# Altium PCB power.PcbDoc (part 2 of 2)
Units mm, origin at the board's own origin, x right, y up, seen from the top; angles counter-clockwise.
Board outline 95 x 58 mm, 6 copper layers (Top Layer, GND, Inner 1, Inner 2, PWR, Bottom Layer), stack 1.651 mm thick; 197 components, 106 nets, 625 pads, 626 vias.
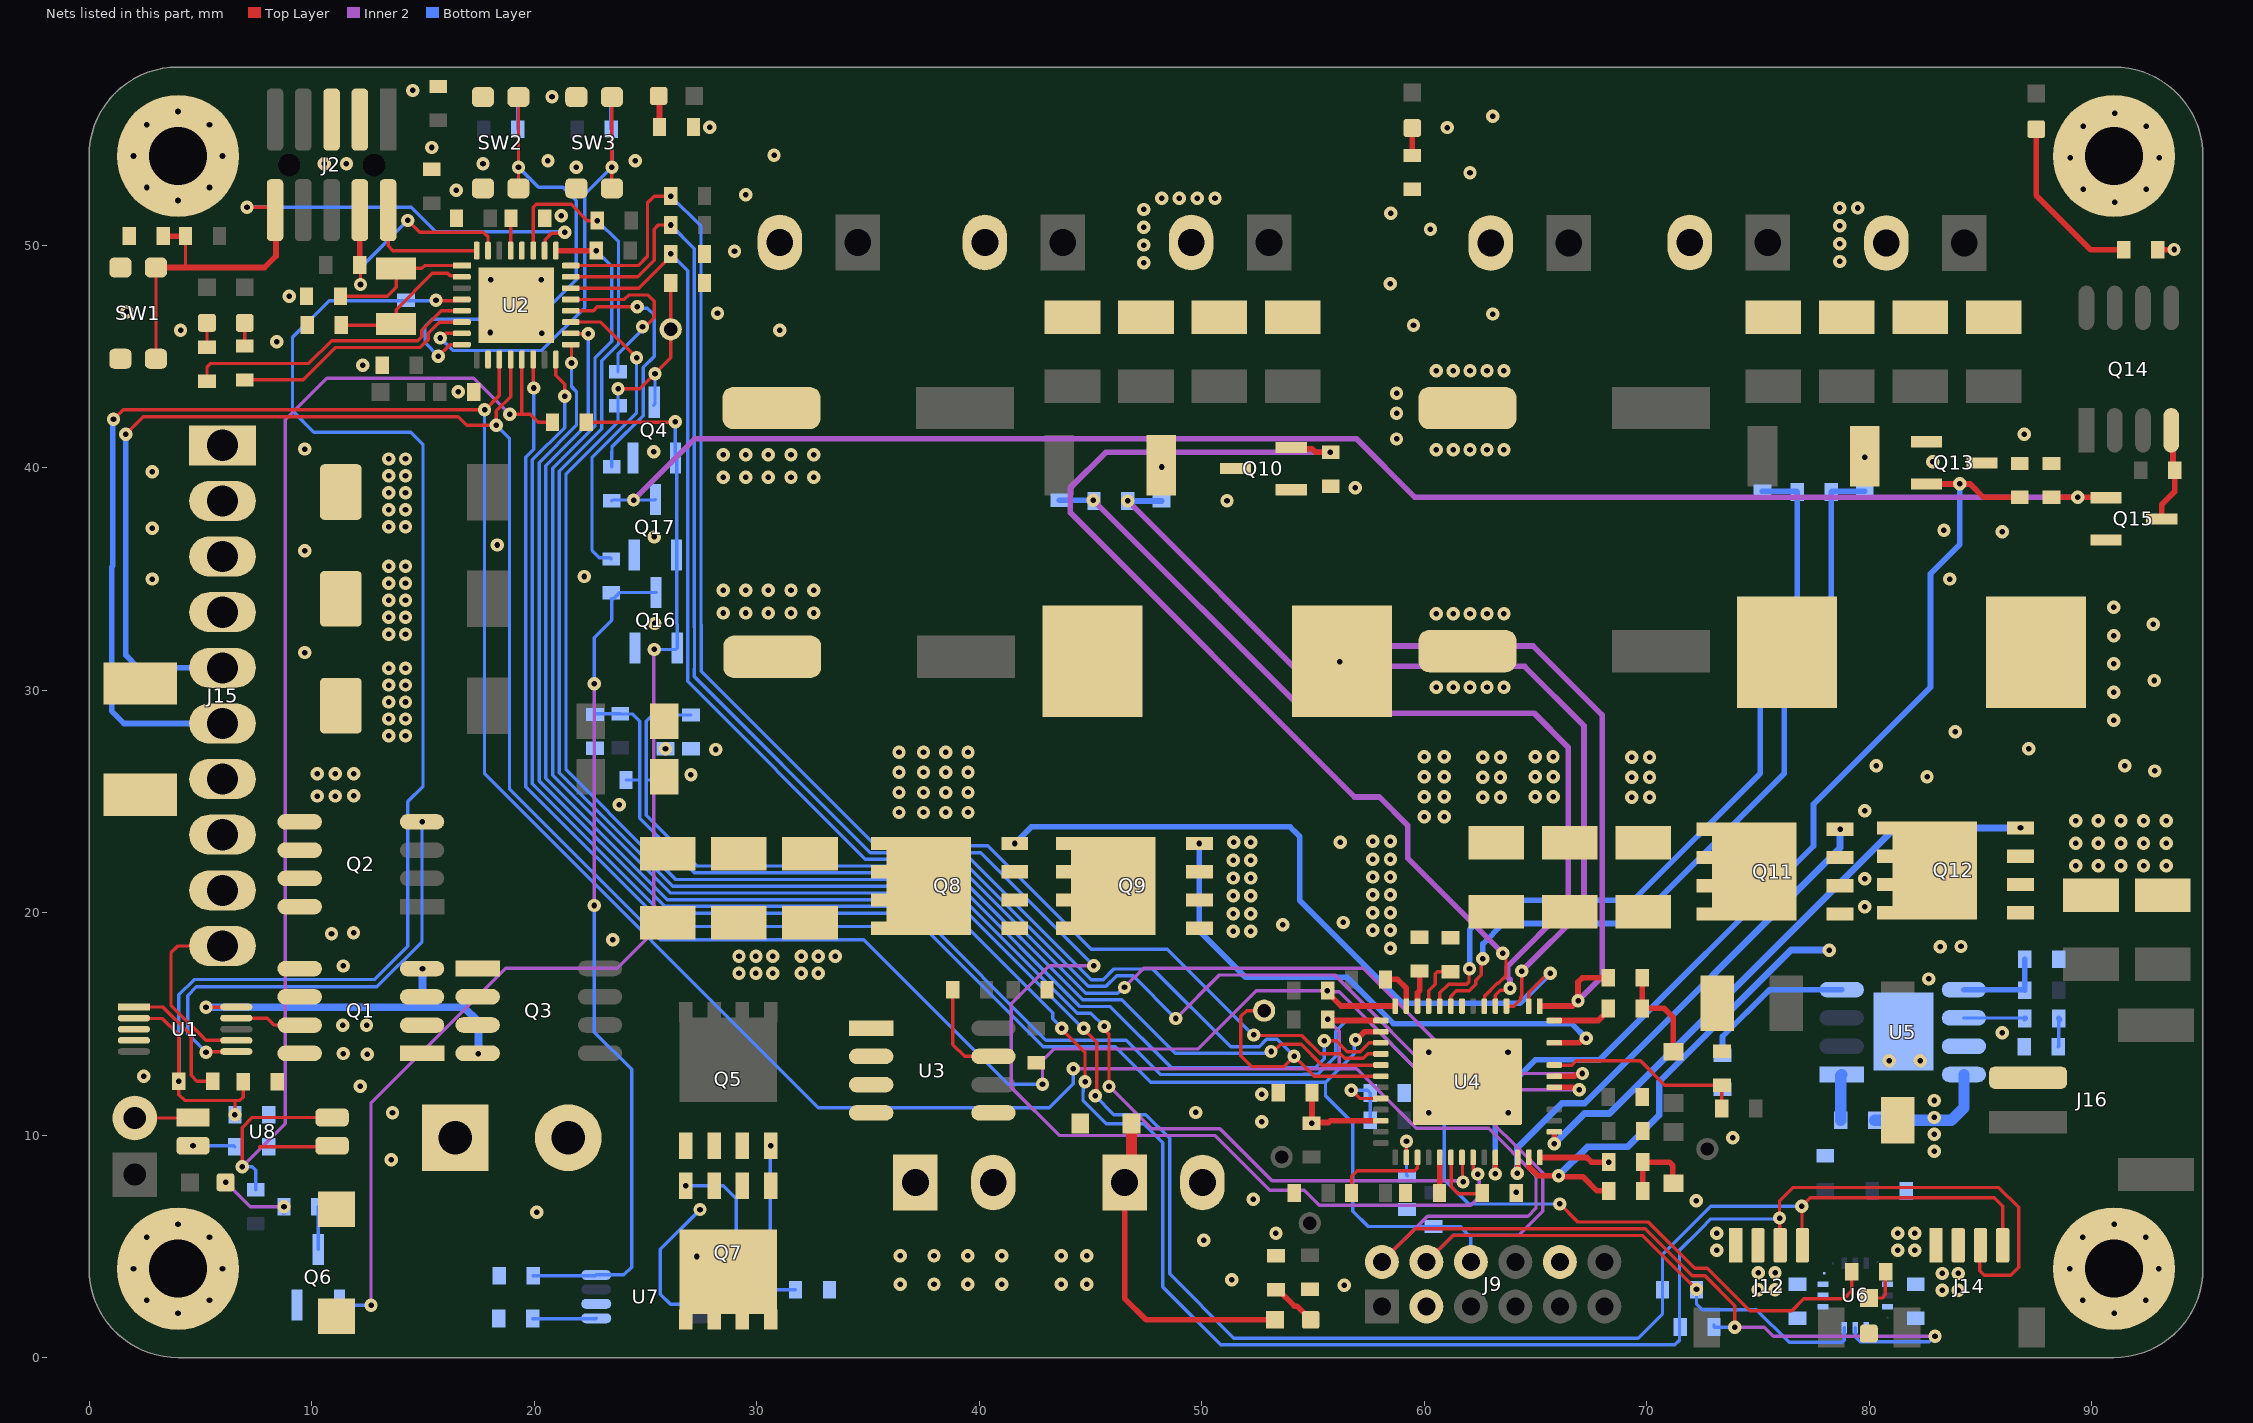
[diagram p6: the nets of this part, all layers, seen from the top]

## Via types
v1: diameter 0.6, hole 0.25, Top Layer to Bottom Layer, tented both sides, 626 vias

## Nets (pads, with @x,y where several pads share a name; then routed paths per layer and width w, separated by ;. In a path a pad name is that pad's centre, name@x,y a point inside that pad or via, vN(x,y) a via of type N, cw(c..) or ccw(c..) an arc to the next point about the centre after c; other vN are vias at no path point) (continued)
EN-5V: R18.2 TP6.1 U2.22 U4.20 | length 69.5
  Top Layer w0.15: TP6.1@52.807,15.596 52.019,15.596 51.765,15.342 51.765,13.564 52.248,13.081 53.696,13.081 54.153,13.538 v1(54.153,13.552)
  Top Layer w0.152: U2.22@21.649,48.062 24.7,48.062 R18.2@26.138,49.5 ; v1(54.153,13.552) 55.055,12.649 56.439,12.649 U4.20@58.054,12.649
  Bottom Layer w0.152: v1(26.138,49.6) 26.899,48.839 26.899,32.69 26.909,32.68 26.909,31.092 26.899,31.082 26.899,30.387 34.89,22.395 39.625,22.395 45.035,16.985 45.577,16.985 46.057,17.466 47.812,17.466 51.302,13.976 52.592,13.976 52.916,14.3 53.404,14.3 v1(54.153,13.552)
EN-12V: Q4.3 R17.2 R28.1 TP1.1 U4.19 | length 68.3
  Top Layer w0.15: v1(23.774,43.536) 24.748,43.536 26.138,44.926 TP1.1@26.138,46.211 R17.2@26.138,48.3
  Top Layer w0.152: v1(53.119,13.759) 53.229,13.759 53.548,14.078 54.481,14.078 55.41,13.149 U4.19@58.054,13.149
  Bottom Layer w0.15: v1(23.774,43.536) R28.1@23.774,42.774 23.774,42.052 21.438,39.716 21.438,26.416 25.247,22.606 ; Q4.3@25.375,42.799 25.434,42.858 v1(25.434,44.221)
  Bottom Layer w0.152: 25.247,22.606 26.366,21.488 39.253,21.488 44.66,16.081 46.403,16.081 48.81,13.674 53.033,13.674 v1(53.119,13.759)
ENABLE-5V-POWER: R32.2 U2.20 | length 11.6
  Top Layer w0.152: U2.20@21.649,47.046 21.655,47.052 22.67,47.052 22.836,47.219 v1(24.638,47.219)
  Bottom Layer w0.152: R32.2@23.495,40.03 23.495,40.716 23.503,40.724 23.503,40.927 24.907,42.332 24.907,44.498 25.4,44.991 25.4,46.863 25.095,47.168 24.689,47.168 v1(24.638,47.219)
ENABLE-5V-POWER-SAFE: Q15.1 Q17.3 R32.1 R49.2 | length 71.6
  Top Layer w0.254: R49.2@88.189,38.659 88.191,38.661 89.377,38.661 v1(89.379,38.662) 90.629,38.662 Q15.1@90.648,38.644
  Inner 2 w0.254: v1(24.47,38.539) 27.232,41.3 56.947,41.3 59.585,38.662 v1(89.379,38.662)
  Bottom Layer w0.15: R32.1@23.495,38.506 23.528,38.539 v1(24.47,38.539) 25.426,38.539 Q17.3@25.451,38.563
ENABLE-12V-POWER: R28.2 U2.21 | length 7.9
  Top Layer w0.15: U2.21@21.649,47.554 24.059,47.554 24.257,47.752 25.121,47.752 25.4,47.473 25.4,46.736 24.994,46.33 v1(24.874,46.33)
  Bottom Layer w0.15: R28.2@23.774,44.298 23.774,45.11 24.874,46.21 v1(24.874,46.33)
ENABLE-VBAT-POWER: R29.2 U2.19 | length 14.1
  Top Layer w0.152: U2.19@21.649,46.538 21.651,46.54 23.005,46.54 v1(24.605,44.94)
  Bottom Layer w0.152: R29.2@23.47,35.89 23.413,35.947 22.93,35.947 22.606,36.271 22.606,40.458 24.605,42.457 v1(24.605,44.94)
ENABLE-VBAT-POWER-SAFE: Q16.3 R29.1 R59.2 U7.8 | length 37.7
  Inner 2 w0.152: v1(22.708,20.32) v1(22.708,30.277)
  Bottom Layer w0.15: 22.708,15.037 22.708,14.63 24.384,12.954 24.384,4.064 24.038,3.718 U7.8@22.794,3.718
  Bottom Layer w0.152: R59.2@19.964,3.683 U7.8@22.759,3.683 ; 22.708,15.037 v1(22.708,20.32) ; v1(22.708,30.277) 22.708,32.36 23.495,33.147 R29.1@23.495,34.112 ; R29.1@23.47,34.112 R29.1@23.495,34.112 ; Q16.3@25.483,34.386 23.843,34.386 23.57,34.112 R29.1@23.495,34.112
GND: C1.1 C3.1 C4.1 C5.1 C6.1 C7.1 C8.2 C9.2 C10.2 C11.1 C12.1 C13.1 C14.1 C15.1 C16.1 C18.1 C19.2 C20.1 C21.2 C22.1 C23.1 C24.2 C25.2 C26.1 C27.2 C28.2 C29.2 C30.2 C31.2 C32.2 C33.2 C34.2 C35.2 C36.2 C37.2 C38.2 C39.1 C40.2 C41.1 C42.2 C43.2 C46.2 C47.1 C48.2 C49.2 C50.2 C51.2 C52.2 C54.2 C55.1 C56.2 C57.2 C58.1 C59.1 C62.1 C63.1 C64.1 C65.1 C66.1 D3.2 D5.2 D11.2 J2.3 J2.5 J3.2 J4.2 J5.2 J6.2 J7.2 J8.2 J9.3 J9.10 J10.2 J11.2 J12.1 J13.2 J14.1 J15.1 J15.2 J15.3 J15.4 J16.2 Q4.2 Q6.2 Q9.1 Q9.2 Q9.3 Q10.1 Q10.3 Q12.1 Q12.2 Q12.3 Q13.1 Q13.3 Q15.2 Q16.2 Q17.2 R1.1 R5.1 R15.1 R17.1 R18.1 R24.2 R31.1 R33.1 R39.1 R44.1 R45.1 R49.1 R50.1 R59.1 R61.2 S1.1 S2.1 S3.1 S4.1 SW1.1 SW2.1 SW3.1 U1.3 U1.4 U2.10 U2.28 U2.33 U3.5 U4.8 U4.53 U5.7 U5.9 U6.2 U6.3 U6.14 U6.17 U7.6 U8.3 | length 7.2
  Top Layer w0.15: 7.671,9.474 U8.3@10.541,9.474
  Top Layer w0.152: C16.1@20.487,51.2 C16.1@20.597,51.309 ; v1(64.135,7.433) 64.135,7.402 C40.2@64.137,7.4
  Top Layer w0.254: C3.1@1.756,50.344 C3.1@1.813,50.4 ; C6.1@9.776,47.7 C6.1@9.794,47.682 ; C7.1@9.794,46.418 C7.1@9.813,46.4 ; C14.1@17.179,43.409 C14.1@17.187,43.4 ; R15.1@27.162,55.2 R15.1@27.162,55.3 ; C24.2@29.42,42.672 C24.2@30.67,42.672 ; R33.1@53.432,11.894 R33.1@53.438,11.9 ; v1@56.837,39.163 v1(56.9,39.1) ; J11.2@71.938,50.114 J11.2@71.938,50.364 ; S3.1@90.932,54.102 S3.1@91.877,53.157 ; R50.1@92.964,49.884 R50.1@92.964,49.784 93.584,49.784 93.6,49.8 v1(93.7,49.8)
  Bottom Layer w0.152: C62.1@21.852,56.66 C62.1@21.913,56.6
  other v1: 91.008,1.988 4,2 89.594,2.574 92.422,2.574 2.586,2.586 5.414,2.586 56.404,3.261 51.358,3.493 89.008,3.988 93.008,3.988 2,4 6,4 73.152,4.826 81.28,4.826 82.042,4.826 50.088,5.271 2.586,5.414 5.414,5.414 89.594,5.402 92.422,5.402 53.34,5.588 73.152,5.588 81.28,5.588 82.042,5.588 4,6 91.008,5.988 20.116,6.541 72.227,7.046 52.325,7.125 73.863,9.881 52.7,10.6 60.198,10.998 63.779,10.998 49.738,11.02 52.7,11.844 2.464,12.649 80.899,13.335 82.296,13.335 60.198,13.716 63.768,13.726 85.979,14.605 82.677,17.018 29.21,17.272 29.972,17.272 30.734,17.272 32.004,17.272 32.766,17.272 29.21,18.034 29.972,18.034 30.734,18.034 32.004,18.034 32.766,18.034 33.528,18.034 58.486,18.401 23.536,18.785 51.414,19.156 52.214,19.156 57.686,19.201 58.486,19.201 53.645,19.456 56.363,19.558 51.414,19.956 52.214,19.956 57.686,20.001 58.486,20.001 51.414,20.756 52.214,20.756 57.686,20.801 58.486,20.801 51.414,21.556 52.214,21.556 57.686,21.601 58.486,21.601 89.281,22.098 90.297,22.098 91.313,22.098 92.329,22.098 93.345,22.098 51.414,22.356 52.214,22.356 57.686,22.401 58.486,22.401 89.281,23.114 90.297,23.114 91.313,23.114 92.329,23.114 93.345,23.114 51.448,23.158 52.214,23.156 56.236,23.165 57.686,23.201 58.486,23.201 89.281,24.13 90.297,24.13 91.313,24.13 92.329,24.13 93.345,24.13 23.825,24.841 27.051,26.187 28.169,27.33 13.462,27.94 14.224,27.94 13.462,28.702 14.224,28.702 13.462,29.464 14.224,29.464 60.538,30.134 61.3,30.134 62.062,30.134 62.824,30.134 63.586,30.134 13.462,30.226 14.224,30.226 13.462,30.988 14.224,30.988 9.702,31.687 13.462,32.512 14.224,32.512 25.425,32.995 13.462,33.274 14.224,33.274 60.538,33.436 61.3,33.436 62.062,33.436 62.824,33.436 63.586,33.436 28.498,33.465 29.514,33.465 30.53,33.465 31.546,33.465 32.562,33.465 13.462,34.036 14.224,34.036 28.498,34.481 29.514,34.481 30.53,34.481 31.546,34.481 32.562,34.481 13.462,34.798 14.224,34.798 2.844,34.989 22.25,35.103 13.462,35.56 14.224,35.56 9.702,36.259 18.341,36.519 25.4,36.881 85.975,37.123 83.358,37.183 2.844,37.275 13.462,37.338 14.224,37.338 13.462,38.1 14.224,38.1 51.14,38.516 13.462,38.862 14.224,38.862 28.498,39.561 29.514,39.561 30.53,39.561 31.546,39.561 32.562,39.561 13.462,39.624 14.224,39.624 2.844,39.815 82.85,40.256 13.462,40.386 14.224,40.386 28.498,40.577 29.514,40.577 30.53,40.577 31.546,40.577 32.562,40.577 25.373,40.718 60.538,40.802 61.3,40.802 62.062,40.802 62.824,40.802 63.586,40.802 9.702,40.831 58.76,41.285 86.965,41.501 58.76,42.439 58.76,43.342 16.586,43.409 60.538,44.358 61.3,44.358 62.062,44.358 62.824,44.358 63.586,44.358 12.3,44.6 8.432,45.657 20.348,46.044 18.036,46.069 4.114,46.165 31.038,46.165 59.522,46.39 63.078,46.898 28.244,46.927 1.7,47 9,47.7 58.471,48.26 18.062,48.431 20.322,48.431 47.4,49.2 78.678,49.263 29.006,49.721 47.4,50 78.678,50.063 60.284,50.708 47.4,50.8 78.678,50.863 21.227,51.309 58.496,51.435 47.4,51.6 78.678,51.663 79.478,51.663 91.034,51.924 4,52 48.2,52.1 49,52.1 49.8,52.1 50.6,52.1 29.514,52.261 16.506,52.46 89.619,52.51 92.448,52.51 2.586,52.586 5.414,52.586 62.062,53.248 21.9,53.5 10.568,53.651 11.568,53.651 17.706,53.66 20.624,53.785 24.55,53.785 89.034,53.924 93.034,53.924 2,54 6,54 30.784,54.039 15.4,54.382 27.9,55.3 61.046,55.28 89.619,55.338 92.448,55.338 2.586,55.414 5.414,55.414 63.078,55.788 91.034,55.924 4,56 20.806,56.66 14.554,56.947
I2C_PW_EN: R64.2 U2.16 | length 95
  Top Layer w0.15: v1(21.379,43.2) v1@21.382,43.203
  Top Layer w0.152: U2.16@20.978,44.851 20.978,44.144 21.379,43.743 v1(21.379,43.2) ; v1(66.091,6.906) 66.901,6.096 70.069,6.096 72.151,4.013 72.72,4.013 74.625,2.108 76.53,2.108 77.064,2.642 78.867,2.642 79.223,2.997 R64.2@79.223,3.861
  Bottom Layer w0.152: v1(21.379,43.2) 21.379,41.794 19.927,40.341 19.927,25.789 25.739,19.976 37.301,19.976 43.005,14.272 46.611,14.272 48.161,12.723 54.613,12.723 54.619,12.729 55.227,12.729 56.035,13.536 56.035,14.675 56.468,15.108 57.51,15.108 60.909,11.709 60.909,7.99 61.993,6.906 v1(66.091,6.906)
LED_USER1: R4.1 U2.5 | length 13.3
  Top Layer w0.152: R4.1@5.3,43.876 5.3,44.5 5.479,44.679 9.881,44.679 10.902,45.7 14.77,45.7 14.949,45.879 14.949,46.165 15.83,47.046 U2.5@16.751,47.046
LED_USER2: R6.1 U2.6 | length 11
  Top Layer w0.152: R6.1@7,43.938 9.623,43.938 11.082,45.398 14.895,45.398 15.252,45.754 15.252,46.04 15.56,46.348 15.75,46.538 U2.6@16.751,46.538
nALERT: J9.6 R25.1 U2.14 U4.16 | length 77.8
  Top Layer w0.152: U2.14@19.962,44.851 19.971,44.842 19.971,43.585 v1(19.98,43.576)
  Top Layer w0.254: v1(56.917,14.28) 56.953,14.28 57.322,14.649 U4.16@58.054,14.649
  Bottom Layer w0.15: 55.567,11.773 55.567,12.37 56.863,13.666 56.863,14.226 v1(56.917,14.28)
  Bottom Layer w0.152: v1(19.98,43.576) 19.98,40.822 19.624,40.467 19.624,25.663 25.91,19.378 37.472,19.378 42.879,13.97 46.121,13.97 47.721,12.37 55.567,12.37 ; 55.567,11.773 56.794,10.546 56.794,6.579 57.48,5.893 R25.1@60.427,5.893 61.62,5.893 62.1,5.413 J9.6@62.1,4.3
nESTOP: R2.1 R62.2 U2.13 U8.4 | length 58
  Top Layer w0.15: v1(6.883,8.585) 6.883,10.338 7.341,10.795 U8.4@10.924,10.795
  Top Layer w0.152: v1(18.9,42.4) 19.442,42.4 ; U2.13@19.454,44.851 19.454,42.412 19.442,42.4 ; R62.2@20.828,42.037 20.193,42.037 19.83,42.4 19.442,42.4
  Inner 2 w0.15: v1(6.883,8.585) 8.818,10.52 8.818,42.145 10.692,44.018 17.282,44.018 v1(18.9,42.4)
  Bottom Layer w0.15: v1(6.883,8.585) 7.332,8.585 7.493,8.424 R2.1@7.493,7.544
NetC4_2: C4.2 R14.1 | length 1.2
  Bottom Layer w0.152: R14.1@30.582,3.048 C4.2@31.75,3.048
NetC16_2: C16.2 U2.29 | length 1.5
  Top Layer w0.152: U2.29@18.946,49.749 18.946,51.183 C16.2@18.963,51.2
NetC17_1: C17.1 C19.1 R13.1 U4.47 | length 56.6
  Top Layer w0.254: U4.47@65.847,12.649 66.751,12.649 66.805,12.703 67.048,12.703 v1(67.114,12.769)
  Inner 2 w0.152: v1(46.533,16.637) 47.396,17.501 57.256,17.501 61.987,12.769 v1(67.114,12.769)
  Bottom Layer w0.15: C19.1@22.733,28.905 22.758,28.931 R13.1@23.876,28.931 23.88,28.927 24.413,28.927 24.743,28.597 24.743,25.984 ; C17.1@24.13,25.959 24.718,25.959 24.743,25.984 ; v1(46.533,16.637) 46.475,16.637 46.22,16.382 44.785,16.382 39.377,21.789 27.202,21.789 26.115,22.876 24.743,24.248 24.743,25.984
  Bottom Layer w0.152: v1@67.031,12.769 v1(67.114,12.769)
NetC17_2: C17.2 C21.1 R16.1 U4.46 | length 57.2
  Top Layer w0.152: v1@66.73,12.149 66.845,12.034 v1(66.966,12.034)
  Top Layer w0.254: U4.46@65.847,12.149 v1@66.73,12.149
  Inner 2 w0.152: v1(48.844,15.24) 50.8,17.196 55.974,17.196 61.136,12.034 v1(66.966,12.034)
  Bottom Layer w0.15: 25.044,25.984 25.07,25.959 C17.2@25.654,25.959 ; R16.1@25.908,28.88 C21.1@27.051,28.88
  Bottom Layer w0.152: R16.1@25.908,28.88 25.324,28.88 25.044,28.6 25.044,25.984 25.044,24.373 26.416,23.001 27.324,22.093 39.5,22.093 44.909,16.683 45.702,16.683 46.183,17.163 46.921,17.163 v1(48.844,15.24)
NetC20_2: C20.2 C23.2 C26.2 C39.2 C41.2 C47.2 Q8.5 Q8.6 Q8.7 Q8.8 Q11.5 Q11.6 Q11.7 Q11.8 R9.2 R10.2 R16.2 | length 0.7
  Top Layer w0.254: R10.2@25.851,28.6 R10.2@25.908,28.543 ; C26.2@31.47,22.886 C26.2@31.496,22.912 ; Q8.8@37.224,23.241 Q8.8@37.49,23.241 ; Q11.5@72.53,23.749 Q11.5@72.796,23.749
  other v1: 60,24.3 60.9,24.3 36.4,24.5 37.5,24.5 38.5,24.5 39.5,24.5 62.629,25.178 63.429,25.178 69.329,25.178 70.129,25.178 60,25.2 60.9,25.2 65,25.2 65.8,25.2 36.4,25.4 37.5,25.4 38.5,25.4 39.5,25.4 62.629,26.078 63.429,26.078 69.329,26.078 70.129,26.078 60,26.1 60.9,26.1 65,26.1 65.8,26.1 36.4,26.3 37.5,26.3 38.5,26.3 39.5,26.3 62.629,26.978 63.429,26.978 69.329,26.978 70.129,26.978 60,27 60.9,27 65,27 65.793,27 36.4,27.2 37.5,27.2 38.5,27.2 39.5,27.2 25.908,27.356
NetC33_1: C33.1 Q10.2 U4.6 | length 47
  Top Layer w0.152: U4.6@62.7,15.8 62.712,15.812 62.712,16.247 63.282,16.818 63.338,16.818 63.678,17.157 63.678,17.907 63.529,18.057 v1(63.529,18.178)
  Top Layer w0.254: Q10.2@53.7,40.9 53.753,40.847 54.953,40.847 55.109,40.691 C33.1@55.797,40.691 ; v1(55.778,40.691) 55.782,40.687 C33.1@55.8,40.687
  Inner 2 w0.254: v1(55.778,40.691) 45.695,40.691 44.094,39.091 44.094,37.973 56.871,25.197 57.988,25.197 59.258,23.927 59.258,22.448 v1(63.529,18.178)
NetC34_1: C34.1 U4.31 | length 1.7
  Top Layer w0.254: C34.1@60.7,7.3 U4.31@60.7,8.998
NetC35_1: C35.1 U4.12 | length 1.3
  Top Layer w0.254: U4.12@59.7,15.8 59.7,16.4 59.8,16.5 C35.1@59.8,17.1
NetC38_1: C38.1 U4.11 | length 2.3
  Top Layer w0.152: U4.11@60.2,15.8 60.2,16.48 60.503,16.783 60.503,17.259 60.592,17.348 C38.1@61.189,17.348
NetC40_1: C40.1 U4.32 | length 2.9
  Top Layer w0.152: U4.32@61.2,8.998 61.221,8.977 61.221,7.679 61.529,7.37 62.583,7.37 C40.1@62.613,7.4
NetC43_1: C43.1 R40.1 U4.48 | length 9.1
  Top Layer w0.152: U4.48@65.847,13.149 66.641,13.149 66.827,13.335 69.723,13.335 70.815,12.243 C43.1@73.381,12.243 R40.1@73.381,11.201
NetC44_1: C44.1 D9.1 R41.2 | length 4.5
  Top Layer w0.254: C44.1@69.799,17.069 R41.2@69.799,15.697 70.79,15.697 71.196,15.291 D9.1@71.196,13.748
NetC44_2: C44.2 L1.2 Q8.1 Q8.2 Q8.3 Q9.5 Q9.6 Q9.7 Q9.8 U4.1 | length 30.7
  Top Layer w0.254: U4.1@65.2,15.8 66.676,15.8 v1(66.917,16.041) 66.917,16.879 67.107,17.069 C44.2@68.275,17.069
  Inner 2 w0.254: v1(56.21,31.267) 56.921,31.979 64.897,31.979 67.996,28.88 67.996,17.12 v1(66.917,16.041)
NetC45_1: C45.1 D8.1 R42.2 | length 3.5
  Top Layer w0.254: C45.1@69.825,7.493 R42.2@69.825,8.788 71.018,8.788 71.171,8.636 71.171,7.86 D8.1@71.196,7.835
NetC45_2: C45.2 L2.2 Q11.1 Q11.2 Q11.3 Q12.5 Q12.6 Q12.7 Q12.8 U4.39 | length 22.4
  Top Layer w0.254: U4.39@64.7,8.998 64.7,8.582 65.103,8.179 v1(66.04,8.179) 66.091,8.128 67.132,8.128 67.767,7.493 C45.2@68.301,7.493 ; Q12.8@81.14,19.939 81.267,20.066 Q12.8@81.534,20.066 ; Q12.8@81.267,23.876 Q12.8@81.534,23.876
  Bottom Layer w0.305: v1(66.04,8.179) 67.335,9.474 69.139,9.474 70.564,10.899 70.564,12.398 76.479,18.313 v1(78.207,18.313)
  other v1: 83.185,18.466 84.124,18.479 79.806,20.257 79.806,21.527 79.806,24.575 82.6,26.099 92.837,26.365 80.314,26.607 91.49,26.607 87.172,27.369 83.87,28.131 90.982,28.639 90.982,29.909 92.812,30.429 90.982,31.179 90.982,32.449 92.76,32.957 90.982,33.719 83.616,34.989
NetC53_1: C53.1 U5.1 | length 3.6
  Bottom Layer w0.15: 78.74,11.176 78.76,11.196 U5.1@78.76,12.725
  Bottom Layer w0.508: C53.1@78.715,10.668 78.715,12.68 U5.1@78.76,12.725
NetC53_2: C53.2 L3.2 U5.8 | length 5.7
  Bottom Layer w0.508: C53.2@80.239,10.668 81.28,10.668 83.693,10.668 84.258,11.233 U5.8@84.258,12.725
  other v1: 82.931,9.271 82.931,10.033 82.931,10.795 82.931,11.557
NetC54_1: C54.1 Q13.2 U4.36 | length 46.5
  Top Layer w0.152: v1(63.195,8.255) 63.195,8.306 v1@63.2,8.311
  Top Layer w0.254: v1@63.2,8.311 U4.36@63.2,8.998 ; Q13.2@82.571,39.258 84.541,39.258 85.141,38.659 C54.1@86.766,38.659
  Bottom Layer w0.254: v1(63.195,8.255) 63.195,11.582 64.999,13.386 67.894,13.386 77.495,22.987 77.495,24.867 82.753,30.124 82.753,35.23 84.074,36.551 v1(84.074,39.268)
NetC55_2: C55.2 U7.5 | length 2.9
  Bottom Layer w0.15: 21.761,1.743 22.769,1.743 U7.5@22.794,1.768
  Bottom Layer w0.152: C55.2@19.939,1.753 19.949,1.743 21.761,1.743
NetC59_2: C59.2 R51.1 | length 1.4
  Bottom Layer w0.152: C59.2@88.494,13.97 88.519,13.995 R51.1@88.519,15.24
  Bottom Layer w0.254: R51.1@88.519,15.24 R51.1@88.57,15.189
NetC60_1: C60.1 R52.1 U4.9 | length 35.5
  Top Layer w0.152: U4.9@61.2,15.8 61.189,15.811 61.189,16.231 61.443,16.485 62.032,16.485 62.318,16.771 62.318,16.95 62.567,17.199 62.567,17.848 v1(62.64,17.92)
  Bottom Layer w0.254: v1(62.64,17.92) 62.64,18.596 63.551,19.507 69.444,19.507 76.175,26.238 76.175,29.942 78.287,32.055 C60.1@78.287,38.9 78.325,38.938 R52.1@79.8,38.938
NetC60_2: C60.2 R53.1 U4.10 | length 35.3
  Top Layer w0.152: U4.10@60.7,15.8 60.7,16.39 61.097,16.787 61.907,16.787 62.016,16.896 62.016,17.448 v1(62.039,17.471)
  Bottom Layer w0.254: v1(62.039,17.471) 62.052,17.485 62.052,19.235 63.366,20.549 69.393,20.549 75.108,26.264 75.108,30.044 76.763,31.699 C60.2@76.763,38.9 76.725,38.938 R53.1@75.2,38.938
NetC61_1: C61.1 R55.1 U4.4 | length 41.2
  Top Layer w0.152: U4.4@63.7,15.8 64.035,15.8 64.346,16.112 64.346,16.206 64.387,16.247 v1(64.389,17.374) v1(64.389,17.374)
  Inner 2 w0.254: v1(46.687,38.5) 55.012,30.175 57.201,30.175 58.09,31.064 64.516,31.064 67.183,28.397 67.183,20.168 v1(64.389,17.374)
  Bottom Layer w0.254: v1(46.687,38.5) R55.1@48.2,38.5
NetC61_2: C61.2 R56.1 U4.5 | length 40.8
  Top Layer w0.152: U4.5@63.2,15.8 63.2,16.291 63.42,16.51 63.775,16.51 v1(63.861,16.596)
  Inner 2 w0.254: v1(45.125,38.538) 54.707,28.956 64.948,28.956 66.472,27.432 66.472,20.305 63.748,17.581 63.748,17.103 63.856,16.994 63.856,16.6 v1(63.861,16.596)
  Bottom Layer w0.254: R56.1@43.6,38.538 v1(45.125,38.538) C61.2@45.163,38.5
NetC64_2: C64.2 J12.2 U6.4 U6.5
  other v1: 75.006,3.048 75.768,3.048 75.006,3.81 75.768,3.81
NetC66_2: C66.2 J14.2 U6.11 U6.12
  other v1: 83.287,3.023 83.998,3.023 83.287,3.785 83.998,3.785
NetD1_2: D1.2 R4.2 | length 1.1
  Top Layer w0.152: R4.2@5.3,45.4 D1.2@5.3,46.5
NetD2_2: D2.2 R6.2 | length 1
  Top Layer w0.152: R6.2@7,45.462 D2.2@7,46.5
NetD4_2: D4.2 R15.2 | length 1.5
  Top Layer w0.254: R15.2@25.638,55.3 25.638,56.662 D4.2@25.6,56.7 D4.2@25.638,56.738
NetD5_1: D5.1 D6.1 J5.1 J7.1 U3.3 U3.4 | length 15.3
  Top Layer w0.254: J7.1@46.538,7.874 46.538,2.662 47.5,1.7 D6.1@53.3,1.7
  Top Layer w0.508: J7.1@46.538,7.874 46.845,8.181 D5.1@46.845,10.712
  other v1: 36.449,3.302 37.973,3.302 39.497,3.302 41.021,3.302 43.688,3.302 44.831,3.302 36.449,4.572 37.973,4.572 39.497,4.572 41.021,4.572 43.688,4.572 44.831,4.572
NetD6_2: D6.2 R31.2 | length 2.1
  Top Layer w0.254: R31.2@53.34,3.048 53.44,3.048 54.173,2.315 54.285,2.315 D6.2@54.9,1.7
NetD7_2: D7.2 R39.2 | length 1.3
  Top Layer w0.152: D7.2@59.461,55.258 D7.2@59.499,55.296
  Top Layer w0.254: R39.2@59.461,54.026 D7.2@59.461,55.258
NetD10_2: D10.2 R50.2 | length 7.9
  Top Layer w0.254: D10.2@87.503,55.207 87.503,52.235 89.954,49.784 R50.2@91.44,49.784
NetD11_1: D11.1 R64.1 | length 1.8
  Top Layer w0.15: D11.1@79.985,2.68 80.581,2.68 80.721,2.819 80.721,3.835 R64.1@80.747,3.861